# Altium PCB TMS320F28379D_Interfaz_.PcbDoc (part 1 of 5) (continued)
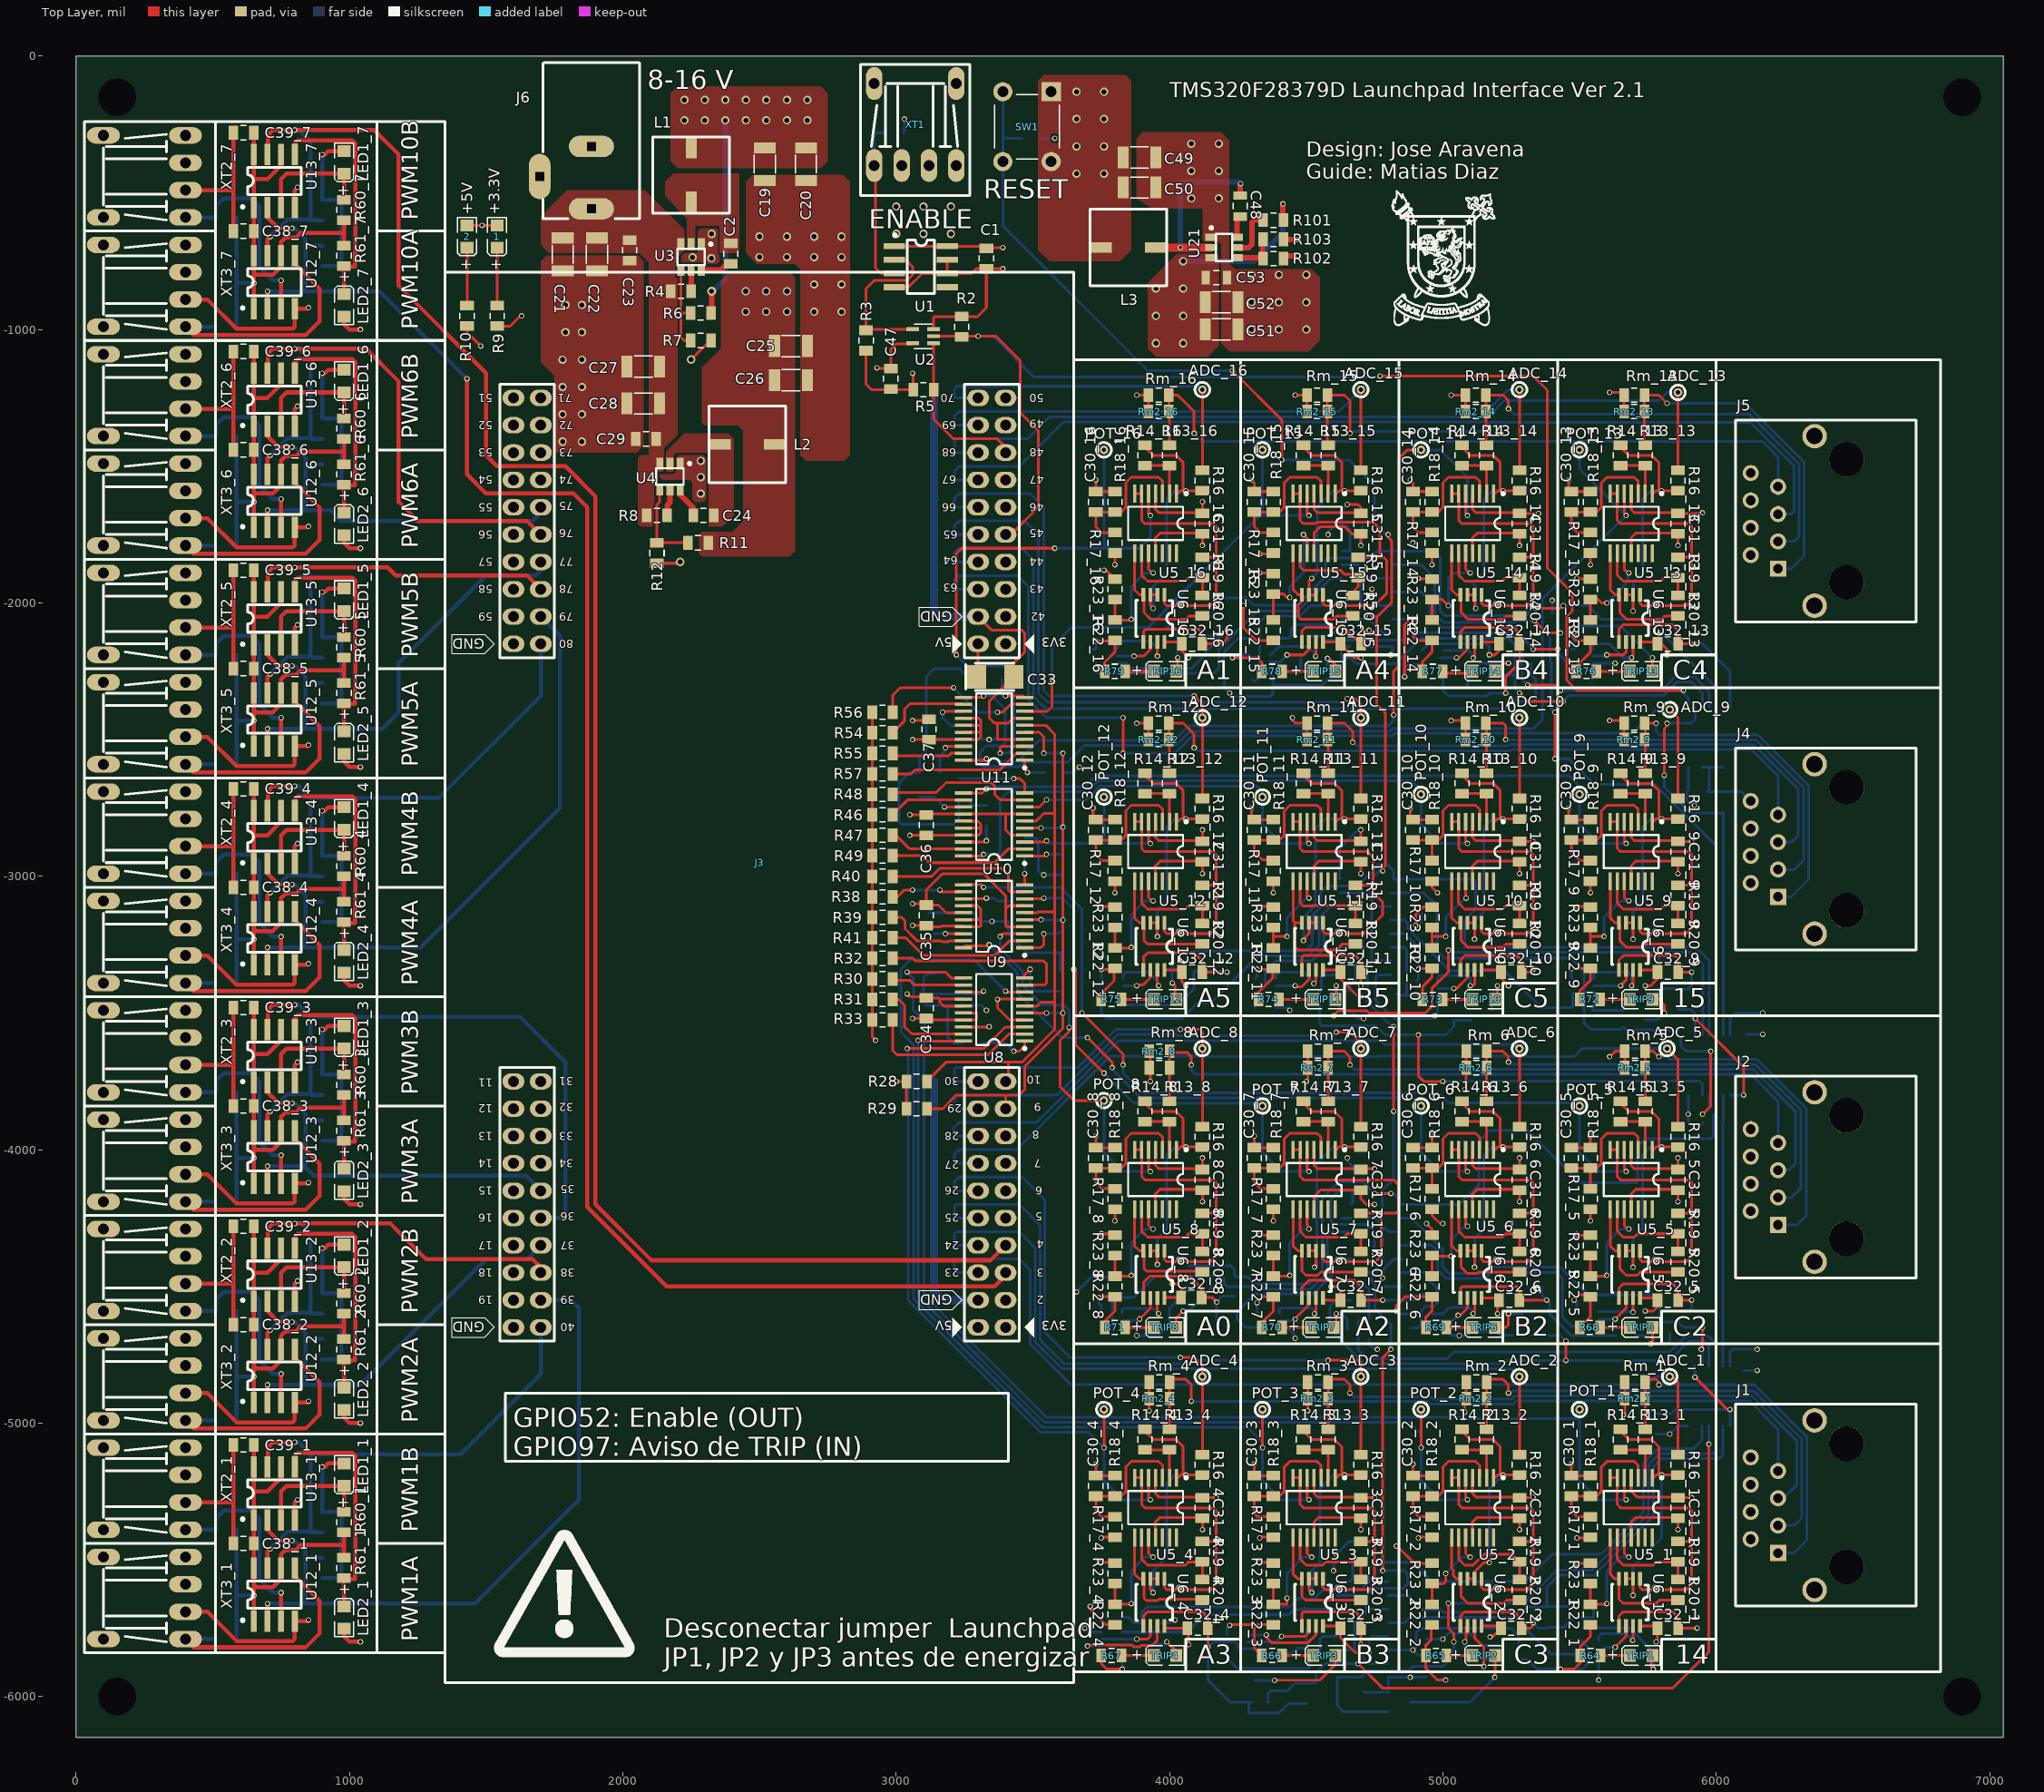
[diagram p0: Top Layer view]
## Classes and differential pairs
component class TMS320F28379D_ADC1: ._1 ADC_1 ADC_OUT_1 C30_1 C31_1 C32_1 POT_1 POT_VALUE_1 R13_1 R14_1 R16_1 R17_1 R18_1 R19_1 R20_1 R21_1 R22_1 R23_1 Rm2_1 Rm_1 U5_1 U6_1 U7_1
component class TMS320F28379D_ADC2: ._2 ADC_2 ADC_OUT_2 C30_2 C31_2 C32_2 POT_2 POT_VALUE_2 R13_2 R14_2 R16_2 R17_2 R18_2 R19_2 R20_2 R21_2 R22_2 R23_2 Rm2_2 Rm_2 U5_2 U6_2 U7_2
component class TMS320F28379D_ADC3: ._3 ADC_3 ADC_OUT_3 C30_3 C31_3 C32_3 POT_3 POT_VALUE_3 R13_3 R14_3 R16_3 R17_3 R18_3 R19_3 R20_3 R21_3 R22_3 R23_3 Rm2_3 Rm_3 U5_3 U6_3 U7_3
component class TMS320F28379D_ADC4: ._4 ADC_4 ADC_OUT_4 C30_4 C31_4 C32_4 POT_4 POT_VALUE_4 R13_4 R14_4 R16_4 R17_4 R18_4 R19_4 R20_4 R21_4 R22_4 R23_4 Rm2_4 Rm_4 U5_4 U6_4 U7_4
component class TMS320F28379D_ADC5: ._5 ADC_5 ADC_OUT_5 C30_5 C31_5 C32_5 POT_5 POT_VALUE_5 R13_5 R14_5 R16_5 R17_5 R18_5 R19_5 R20_5 R21_5 R22_5 R23_5 Rm2_5 Rm_5 U5_5 U6_5 U7_5
component class TMS320F28379D_ADC6: ._6 ADC_6 ADC_OUT_6 C30_6 C31_6 C32_6 POT_6 POT_VALUE_6 R13_6 R14_6 R16_6 R17_6 R18_6 R19_6 R20_6 R21_6 R22_6 R23_6 Rm2_6 Rm_6 U5_6 U6_6 U7_6
component class TMS320F28379D_ADC7: ._7 ADC_7 ADC_OUT_7 C30_7 C31_7 C32_7 POT_7 POT_VALUE_7 R13_7 R14_7 R16_7 R17_7 R18_7 R19_7 R20_7 R21_7 R22_7 R23_7 Rm2_7 Rm_7 U5_7 U6_7 U7_7
component class TMS320F28379D_ADC8: ._8 ADC_8 ADC_OUT_8 C30_8 C31_8 C32_8 POT_8 POT_VALUE_8 R13_8 R14_8 R16_8 R17_8 R18_8 R19_8 R20_8 R21_8 R22_8 R23_8 Rm2_8 Rm_8 U5_8 U6_8 U7_8
component class TMS320F28379D_ADC9: ._9 ADC_9 ADC_OUT_9 C30_9 C31_9 C32_9 POT_9 POT_VALUE_9 R13_9 R14_9 R16_9 R17_9 R18_9 R19_9 R20_9 R21_9 R22_9 R23_9 Rm2_9 Rm_9 U5_9 U6_9 U7_9
component class TMS320F28379D_ADC10: ._10 ADC_10 ADC_OUT_10 C30_10 C31_10 C32_10 POT_10 POT_VALUE_10 R13_10 R14_10 R16_10 R17_10 R18_10 R19_10 R20_10 R21_10 R22_10 R23_10 Rm2_10 Rm_10 U5_10 U6_10 U7_10
component class TMS320F28379D_ADC11: ._11 ADC_11 ADC_OUT_11 C30_11 C31_11 C32_11 POT_11 POT_VALUE_11 R13_11 R14_11 R16_11 R17_11 R18_11 R19_11 R20_11 R21_11 R22_11 R23_11 Rm2_11 Rm_11 U5_11 U6_11 U7_11
component class TMS320F28379D_ADC12: ._12 ADC_12 ADC_OUT_12 C30_12 C31_12 C32_12 POT_12 POT_VALUE_12 R13_12 R14_12 R16_12 R17_12 R18_12 R19_12 R20_12 R21_12 R22_12 R23_12 Rm2_12 Rm_12 U5_12 U6_12 U7_12
component class TMS320F28379D_ADC13: ._13 ADC_13 ADC_OUT_13 C30_13 C31_13 C32_13 POT_13 POT_VALUE_13 R13_13 R14_13 R16_13 R17_13 R18_13 R19_13 R20_13 R21_13 R22_13 R23_13 Rm2_13 Rm_13 U5_13 U6_13 U7_13
component class TMS320F28379D_ADC14: ._14 ADC_14 ADC_OUT_14 C30_14 C31_14 C32_14 POT_14 POT_VALUE_14 R13_14 R14_14 R16_14 R17_14 R18_14 R19_14 R20_14 R21_14 R22_14 R23_14 Rm2_14 Rm_14 U5_14 U6_14 U7_14
component class TMS320F28379D_ADC15: ._15 ADC_15 ADC_OUT_15 C30_15 C31_15 C32_15 POT_15 R13_15 R14_15 R16_15 R17_15 R18_15 R19_15 R20_15 R21_15 R22_15 R23_15 Rm2_15 Rm_15 U5_15 U6_15 U7_15
component class TMS320F28379D_ADC16: ._16 ADC_16 ADC_OUT_16 C30_16 C31_16 C32_16 POT_16 R13_16 R14_16 R16_16 R17_16 R18_16 R19_16 R20_16 R21_16 R22_16 R23_16 Rm2_16 Rm_16 U5_16 U6_16 U7_16
component class TMS320F28379D_I2C: C33 C34 C35 C36 C37 R24 R25 R26 R27 R28 R29 R30 R31 R32 R33 R34 R35 R36 R37 R38 R39 R40 R41 R42 R43 R44 R45 R46 R47 R48 R49 R50 R51 R52 R53 R54 R55 R56 R57 U8 U9 U10 U11
component class TMS320F28379D_Interfaz: 1 2 B1 C1 C2 C3 C4 C5 C6 C7 C8 C9 C10 C11 C12 C13 C14 C15 C16 C17 C18 C19 C20 C21 C22 C23 C24 C25 C26 C27 C28 C29 C47 C48 C49 C50 C51 C52 C53 J1 J2 J3 J4 J5 J6 L1 L2 L3 R1 R2 R3 R4 R5 R6 R7 R8 R9 R10 R11 R12 R101 R102 R103 U1 U2 U3 U4 U21 XT1
component class TMS320F28379D_PWM1: C38_1 C39_1 LED1_1 LED2_1 R58_1 R59_1 R60_1 R61_1 R62_1 R63_1 U12_1 U13_1 XT2_1 XT3_1
component class TMS320F28379D_PWM2: C38_2 C39_2 LED1_2 LED2_2 R58_2 R59_2 R60_2 R61_2 R62_2 R63_2 U12_2 U13_2 XT2_2 XT3_2
component class TMS320F28379D_PWM3: C38_3 C39_3 LED1_3 LED2_3 R58_3 R59_3 R60_3 R61_3 R62_3 R63_3 U12_3 U13_3 XT2_3 XT3_3
component class TMS320F28379D_PWM4: C38_4 C39_4 LED1_4 LED2_4 R58_4 R59_4 R60_4 R61_4 R62_4 R63_4 U12_4 U13_4 XT2_4 XT3_4
component class TMS320F28379D_PWM5: C38_5 C39_5 LED1_5 LED2_5 R58_5 R59_5 R60_5 R61_5 R62_5 R63_5 U12_5 U13_5 XT2_5 XT3_5
component class TMS320F28379D_PWM6: C38_6 C39_6 LED1_6 LED2_6 R58_6 R59_6 R60_6 R61_6 R62_6 R63_6 U12_6 U13_6 XT2_6 XT3_6
component class TMS320F28379D_PWM7: C38_7 C39_7 LED1_7 LED2_7 R58_7 R59_7 R60_7 R61_7 R62_7 R63_7 U12_7 U13_7 XT2_7 XT3_7
component class TMS320F28379D_TRIP: C40 C41 C42 C43 C44 C45 C46 Q1 Q2 Q3 Q4 Q5 Q6 Q7 Q8 Q9 Q10 Q11 Q12 Q13 Q14 Q15 Q16 R64 R65 R66 R67 R68 R69 R70 R71 R72 R73 R74 R75 R76 R77 R78 R79 R80 R81 R82 R83 R84 R85 R86 R87 R88 R89 R90 R91 R92 R93 R94 R95 R96 R97 R98 R99 R100 SW1 TRIP1 TRIP2 TRIP3 TRIP4 TRIP5 TRIP6 TRIP7 TRIP8 TRIP9 TRIP10 TRIP11 TRIP12 TRIP13 TRIP14 TRIP15 TRIP16 U14 U15 U16 U17 U18 U19 U20
channel class TMS320F28379D_ADC: TMS320F28379D_ADC1 TMS320F28379D_ADC2 TMS320F28379D_ADC3 TMS320F28379D_ADC4 TMS320F28379D_ADC5 TMS320F28379D_ADC6 TMS320F28379D_ADC7 TMS320F28379D_ADC8 TMS320F28379D_ADC9 TMS320F28379D_ADC10 TMS320F28379D_ADC11 TMS320F28379D_ADC12 TMS320F28379D_ADC13 TMS320F28379D_ADC14 TMS320F28379D_ADC15 TMS320F28379D_ADC16
channel class TMS320F28379D_PWM: TMS320F28379D_PWM1 TMS320F28379D_PWM2 TMS320F28379D_PWM3 TMS320F28379D_PWM4 TMS320F28379D_PWM5 TMS320F28379D_PWM6 TMS320F28379D_PWM7

## Components (designator, comment, footprint, x,y, rotation, side; value= is the part's Value field where it differs from the comment)
1 "LED" LED_0805 1540,-660 r270 top
2 "LED" LED_0805 1430,-660 r270 top
ADC_1 "Test Point" "TEST POINT" 5830,-4830 r270 top (schematic designator ADC)
ADC_2 "Test Point" "TEST POINT" 5280,-4830 r270 top (schematic designator ADC)
ADC_3 "Test Point" "TEST POINT" 4700,-4830 r270 top (schematic designator ADC)
ADC_4 "Test Point" "TEST POINT" 4120,-4830 r270 top (schematic designator ADC)
ADC_5 "Test Point" "TEST POINT" 5820,-3630 r270 top (schematic designator ADC)
ADC_6 "Test Point" "TEST POINT" 5280,-3630 r270 top (schematic designator ADC)
ADC_7 "Test Point" "TEST POINT" 4700,-3630 r270 top (schematic designator ADC)
ADC_8 "Test Point" "TEST POINT" 4120,-3630 r270 top (schematic designator ADC)
ADC_9 "Test Point" "TEST POINT" 5830,-2390 r270 top (schematic designator ADC)
ADC_10 "Test Point" "TEST POINT" 5280,-2420 r270 top (schematic designator ADC)
ADC_11 "Test Point" "TEST POINT" 4700,-2420 r270 top (schematic designator ADC)
ADC_12 "Test Point" "TEST POINT" 4120,-2420 r270 top (schematic designator ADC)
ADC_13 "Test Point" "TEST POINT" 5860,-1230 r270 top (schematic designator ADC)
ADC_14 "Test Point" "TEST POINT" 5280,-1220 r270 top (schematic designator ADC)
ADC_15 "Test Point" "TEST POINT" 4700,-1220 r270 top (schematic designator ADC)
ADC_16 "Test Point" "TEST POINT" 4120,-1220 r270 top (schematic designator ADC)
B1 "Bead" 1206 2908.11,-570 r270 bottom
C1 "Cap cerámico" "CAP 0805"#1 3330,-740 r90 top value=100nF
C2 "Cap cerámico" "CAP 0805"#1 2395,-722.6 r270 top value=100nF
C3 "Cap cerámico" "CAP 0805"#1 3175,-1350 r180 bottom value=100nF
C4 "Cap cerámico" "CAP 0805"#1 3175,-1450 r180 bottom value=100nF
C5 "Cap cerámico" "CAP 0805"#1 3175,-1550 r180 bottom value=100nF
C6 "Cap cerámico" "CAP 0805"#1 3175,-1650 r180 bottom value=100nF
C7 "Cap cerámico" "CAP 0805"#1 3175,-1750 r180 bottom value=100nF
C8 "Cap cerámico" "CAP 0805"#1 3175,-1850 r180 bottom value=100nF
C9 "Cap cerámico" "CAP 0805"#1 3175,-1950 r180 bottom value=100nF
C10 "Cap cerámico" "CAP 0805"#1 3175,-3750 r180 bottom value=100nF
C11 "Cap cerámico" "CAP 0805"#1 3175,-3850 r180 bottom value=100nF
C12 "Cap cerámico" "CAP 0805"#1 3175,-3950 r180 bottom value=100nF
C13 "Cap cerámico" "CAP 0805"#1 3175,-4050 r180 bottom value=100nF
C14 "Cap cerámico" "CAP 0805"#1 3175,-4150 r180 bottom value=100nF
C15 "Cap cerámico" "CAP 0805"#1 3175,-4250 r180 bottom value=100nF
C16 "Cap cerámico" "CAP 0805"#1 3175,-4350 r180 bottom value=100nF
C17 "Cap cerámico" "CAP 0805"#1 3175,-4450 r180 bottom value=100nF
C18 "Cap cerámico" "CAP 0805"#1 3175,-1250 r0 bottom value=100nF
C19 "Cap cerámico" "CAP 1206" 2525,-385 r90 top value=22uF
C20 "Cap cerámico" "CAP 1206" 2675,-385 r90 top value=22uF
C21 "Cap cerámico" "CAP 1206" 1775,-735 r270 top value=10uF
C22 "Cap cerámico" "CAP 1206" 1900,-735 r270 top value=10uF
C23 "Cap cerámico" "CAP 0805"#1 2025,-710 r270 top value=100nF
C24 "Cap cerámico" "CAP 0805"#1 2295,-1680 r180 top value=100nF
C25 "Cap cerámico" "CAP 1206" 2605,-1055 r180 top value=22uF
C26 "Cap cerámico" "CAP 1206" 2605,-1180 r180 top value=22uF
C27 "Cap cerámico" "CAP 1206" 2065,-1130 r180 top value=10uF
C28 "Cap cerámico" "CAP 1206" 2065,-1265 r180 top value=10uF
C29 "Cap cerámico" "CAP 0805"#1 2085,-1400 r180 top value=100nF
C30_1 "Cap cerámico" "CAP 0805"#1 5470,-5230 r270 top value=100nF (schematic designator C30)
C30_2 "Cap cerámico" "CAP 0805"#1 4890,-5230 r270 top value=100nF (schematic designator C30)
C30_3 "Cap cerámico" "CAP 0805"#1 4310,-5230 r270 top value=100nF (schematic designator C30)
C30_4 "Cap cerámico" "CAP 0805"#1 3730,-5230 r270 top value=100nF (schematic designator C30)
C30_5 "Cap cerámico" "CAP 0805"#1 5470,-4030 r270 top value=100nF (schematic designator C30)
C30_6 "Cap cerámico" "CAP 0805"#1 4890,-4030 r270 top value=100nF (schematic designator C30)
C30_7 "Cap cerámico" "CAP 0805"#1 4310,-4030 r270 top value=100nF (schematic designator C30)
C30_8 "Cap cerámico" "CAP 0805"#1 3730,-4030 r270 top value=100nF (schematic designator C30)
C30_9 "Cap cerámico" "CAP 0805"#1 5470,-2830 r270 top value=100nF (schematic designator C30)
C30_10 "Cap cerámico" "CAP 0805"#1 4890,-2830 r270 top value=100nF (schematic designator C30)
C30_11 "Cap cerámico" "CAP 0805"#1 4310,-2830 r270 top value=100nF (schematic designator C30)
C30_12 "Cap cerámico" "CAP 0805"#1 3730,-2830 r270 top value=100nF (schematic designator C30)
C30_13 "Cap cerámico" "CAP 0805"#1 5470,-1630 r270 top value=100nF (schematic designator C30)
C30_14 "Cap cerámico" "CAP 0805"#1 4890,-1630 r270 top value=100nF (schematic designator C30)
C30_15 "Cap cerámico" "CAP 0805"#1 4310,-1630 r270 top value=100nF (schematic designator C30)
C30_16 "Cap cerámico" "CAP 0805"#1 3730,-1630 r270 top value=100nF (schematic designator C30)
C31_1 "Cap cerámico" "CAP 0805"#1 5860,-5310 r90 top value=100nF (schematic designator C31)
C31_2 "Cap cerámico" "CAP 0805"#1 5280,-5310 r90 top value=100nF (schematic designator C31)
C31_3 "Cap cerámico" "CAP 0805"#1 4700,-5310 r90 top value=100nF (schematic designator C31)
C31_4 "Cap cerámico" "CAP 0805"#1 4120,-5310 r90 top value=100nF (schematic designator C31)
C31_5 "Cap cerámico" "CAP 0805"#1 5860,-4110 r90 top value=100nF (schematic designator C31)
C31_6 "Cap cerámico" "CAP 0805"#1 5280,-4110 r90 top value=100nF (schematic designator C31)
C31_7 "Cap cerámico" "CAP 0805"#1 4700,-4110 r90 top value=100nF (schematic designator C31)
C31_8 "Cap cerámico" "CAP 0805"#1 4120,-4110 r90 top value=100nF (schematic designator C31)
C31_9 "Cap cerámico" "CAP 0805"#1 5860,-2910 r90 top value=100nF (schematic designator C31)
C31_10 "Cap cerámico" "CAP 0805"#1 5280,-2910 r90 top value=100nF (schematic designator C31)
C31_11 "Cap cerámico" "CAP 0805"#1 4700,-2910 r90 top value=100nF (schematic designator C31)
C31_12 "Cap cerámico" "CAP 0805"#1 4120,-2910 r90 top value=100nF (schematic designator C31)
C31_13 "Cap cerámico" "CAP 0805"#1 5860,-1710 r90 top value=100nF (schematic designator C31)
C31_14 "Cap cerámico" "CAP 0805"#1 5280,-1710 r90 top value=100nF (schematic designator C31)
C31_15 "Cap cerámico" "CAP 0805"#1 4700,-1710 r90 top value=100nF (schematic designator C31)
C31_16 "Cap cerámico" "CAP 0805"#1 4120,-1710 r90 top value=100nF (schematic designator C31)
C32_1 "Cap cerámico" "CAP 0805"#1 5822.6,-5750 r0 top value=100nF (schematic designator C32)
C32_2 "Cap cerámico" "CAP 0805"#1 5250,-5750 r0 top value=100nF (schematic designator C32)
C32_3 "Cap cerámico" "CAP 0805"#1 4662.6,-5750 r0 top value=100nF (schematic designator C32)
C32_4 "Cap cerámico" "CAP 0805"#1 4102.6,-5750 r0 top value=100nF (schematic designator C32)
C32_5 "Cap cerámico" "CAP 0805"#1 5822.6,-4550 r0 top value=100nF (schematic designator C32)
C32_6 "Cap cerámico" "CAP 0805"#1 5242.6,-4550 r0 top value=100nF (schematic designator C32)
C32_7 "Cap cerámico" "CAP 0805"#1 4662.6,-4550 r0 top value=100nF (schematic designator C32)
C32_8 "Cap cerámico" "CAP 0805"#1 4080,-4540 r0 top value=100nF (schematic designator C32)
C32_9 "Cap cerámico" "CAP 0805"#1 5822.6,-3350 r0 top value=100nF (schematic designator C32)
C32_10 "Cap cerámico" "CAP 0805"#1 5250,-3350 r0 top value=100nF (schematic designator C32)
C32_11 "Cap cerámico" "CAP 0805"#1 4662.6,-3350 r0 top value=100nF (schematic designator C32)
C32_12 "Cap cerámico" "CAP 0805"#1 4082.6,-3350 r0 top value=100nF (schematic designator C32)
C32_13 "Cap cerámico" "CAP 0805"#1 5822.6,-2150 r0 top value=100nF (schematic designator C32)
C32_14 "Cap cerámico" "CAP 0805"#1 5242.6,-2150 r0 top value=100nF (schematic designator C32)
C32_15 "Cap cerámico" "CAP 0805"#1 4662.6,-2150 r0 top value=100nF (schematic designator C32)
C32_16 "Cap cerámico" "CAP 0805"#1 4082.6,-2150 r0 top value=100nF (schematic designator C32)
C33 "Cap polarizado" "CAP TANTALIO B" 3295,-2270 r0 top value=10uF
C34 "Cap cerámico" "CAP 0805"#1 3110,-3482.6 r90 top value=100nF
C35 "Cap cerámico" "CAP 0805"#1 3110,-3142.6 r90 top value=100nF
C36 "Cap cerámico" "CAP 0805"#1 3110,-2812.6 r90 top value=100nF
C37 "Cap cerámico" "CAP 0805"#1 3120,-2462.6 r90 top value=100nF
C38_1 "Cap cerámico" "CAP 0805"#1 612.6,-5440 r180 top value=100nF (schematic designator C38)
C38_2 "Cap cerámico" "CAP 0805"#1 612.6,-4640 r180 top value=100nF (schematic designator C38)
C38_3 "Cap cerámico" "CAP 0805"#1 612.6,-3840 r180 top value=100nF (schematic designator C38)
C38_4 "Cap cerámico" "CAP 0805"#1 612.6,-3040 r180 top value=100nF (schematic designator C38)
C38_5 "Cap cerámico" "CAP 0805"#1 612.6,-2240 r180 top value=100nF (schematic designator C38)
C38_6 "Cap cerámico" "CAP 0805"#1 612.6,-1440 r180 top value=100nF (schematic designator C38)
C38_7 "Cap cerámico" "CAP 0805"#1 612.6,-640 r180 top value=100nF (schematic designator C38)
C39_1 "Cap cerámico" "CAP 0805"#1 612.6,-5080 r180 top value=100nF (schematic designator C39)
C39_2 "Cap cerámico" "CAP 0805"#1 612.6,-4280 r180 top value=100nF (schematic designator C39)
C39_3 "Cap cerámico" "CAP 0805"#1 612.6,-3480 r180 top value=100nF (schematic designator C39)
C39_4 "Cap cerámico" "CAP 0805"#1 612.6,-2680 r180 top value=100nF (schematic designator C39)
C39_5 "Cap cerámico" "CAP 0805"#1 612.6,-1880 r180 top value=100nF (schematic designator C39)
C39_6 "Cap cerámico" "CAP 0805"#1 612.6,-1080 r180 top value=100nF (schematic designator C39)
C39_7 "Cap cerámico" "CAP 0805"#1 612.6,-280 r180 top value=100nF (schematic designator C39)
C40 "Cap cerámico" "CAP 0805"#1 4670,-5470 r90 bottom value=100nF
C41 "Cap cerámico" "CAP 0805"#1 6100,-4770 r270 bottom value=100nF
C42 "Cap cerámico" "CAP 0805"#1 4670,-4112.6 r90 bottom value=100nF
C43 "Cap cerámico" "CAP 0805"#1 6110,-3540 r270 bottom value=100nF
C44 "Cap cerámico" "CAP 0805"#1 4660,-2930 r0 bottom value=100nF
C45 "Cap cerámico" "CAP 0805"#1 5930,-2690 r0 bottom value=100nF
C46 "Cap cerámico" "CAP 0805"#1 4667.4,-1720 r0 bottom value=100nF
C47 "Cap cerámico" "CAP 0805"#1 2980,-1180 r90 top value=100nF
C48 "Cap cerámico" "CAP 0805"#2 4253,-547 r270 top value=100nF
C49 "Cap cerámico" "CAP 1206" 3880,-365 r180 top value=22uF
C50 "Cap cerámico" "CAP 1206" 3880,-475 r180 top value=22uF
C51 "Cap cerámico" "CAP 1206" 4200,-1005 r0 top value=10uF
C52 "Cap cerámico" "CAP 1206" 4200,-905 r0 top value=10uF
C53 "Cap cerámico" "CAP 0805"#2 4170,-815 r0 top value=100nF
J1 "Ethernet TH" "ETHERNET TH" 6476.14,-5300 r90 top
J2 "Ethernet TH" "ETHERNET TH" 6476.14,-4099.99 r90 top
J3 "Header 20pin" "HEADER 20PIN_TMS320F28379D" 1600,-4650 r90 top locked
J4 "Ethernet TH" "ETHERNET TH" 6476.14,-2899.97 r90 top
J5 "Ethernet TH" "ETHERNET TH" 6476.14,-1699.96 r90 top
J6 "694106301002" "Power Jack DC" 1885,-558.35 r270 top
L1 "Inductor 3.3uH" "Inductor 3.3uH" 2250,-535 r90 top value=3.3uH
L2 "Inductor 2.2uH" "Inductor 3.3uH" 2355,-1420 r0 top value=2.2uH
L3 "Inductor 3.3uH" "Inductor 3.3uH" 3950,-700 r180 top value=3.3uH
LED1_1 "LED" LED_0805 980,-5188.66 r270 top (schematic designator LED1)
LED1_2 "LED" LED_0805 980,-4388.66 r270 top (schematic designator LED1)
LED1_3 "LED" LED_0805 980,-3588.66 r270 top (schematic designator LED1)
LED1_4 "LED" LED_0805 980,-2788.66 r270 top (schematic designator LED1)
LED1_5 "LED" LED_0805 980,-1988.66 r270 top (schematic designator LED1)
LED1_6 "LED" LED_0805 980,-1188.66 r270 top (schematic designator LED1)
LED1_7 "LED" LED_0805 980,-388.66 r270 top (schematic designator LED1)
LED2_1 "LED" LED_0805 980,-5711.34 r90 top (schematic designator LED2)
LED2_2 "LED" LED_0805 980,-4911.34 r90 top (schematic designator LED2)
LED2_3 "LED" LED_0805 980,-4111.34 r90 top (schematic designator LED2)
LED2_4 "LED" LED_0805 980,-3311.34 r90 top (schematic designator LED2)
LED2_5 "LED" LED_0805 980,-2511.34 r90 top (schematic designator LED2)
LED2_6 "LED" LED_0805 980,-1711.34 r90 top (schematic designator LED2)
LED2_7 "LED" LED_0805 980,-911.34 r90 top (schematic designator LED2)
POT_1 "Test Point" "TEST POINT" 5500,-4950 r270 top (schematic designator POT)
POT_2 "Test Point" "TEST POINT" 4920,-4950 r270 top (schematic designator POT)
POT_3 "Test Point" "TEST POINT" 4340,-4950 r270 top (schematic designator POT)
POT_4 "Test Point" "TEST POINT" 3760,-4950 r270 top (schematic designator POT)
POT_5 "Test Point" "TEST POINT" 5500,-3840 r270 top (schematic designator POT)
POT_6 "Test Point" "TEST POINT" 4920,-3840 r270 top (schematic designator POT)
POT_7 "Test Point" "TEST POINT" 4340,-3840 r270 top (schematic designator POT)
POT_8 "Test Point" "TEST POINT" 3760,-3820 r270 top (schematic designator POT)
POT_9 "Test Point" "TEST POINT" 5500,-2700 r270 top (schematic designator POT)
POT_10 "Test Point" "TEST POINT" 4920,-2700 r270 top (schematic designator POT)
POT_11 "Test Point" "TEST POINT" 4340,-2710 r270 top (schematic designator POT)
POT_12 "Test Point" "TEST POINT" 3760,-2710 r270 top (schematic designator POT)
POT_13 "Test Point" "TEST POINT" 5500,-1440 r270 top (schematic designator POT)
POT_14 "Test Point" "TEST POINT" 4920,-1440 r270 top (schematic designator POT)
POT_15 "Test Point" "TEST POINT" 4340,-1440 r270 top (schematic designator POT)
POT_16 "Test Point" "TEST POINT" 3760,-1440 r270 top (schematic designator POT)
Q1 "MOSFET N" SOT23 5516.15,-5748.74 r0 bottom
Q2 "MOSFET N" SOT23 3935,-5809 r0 bottom
Q3 "MOSFET N" SOT23 5830,-4670 r0 bottom
Q4 "MOSFET N" SOT23 4160,-4500 r270 bottom
Q5 "MOSFET N" SOT23 5739,-3525 r90 bottom
Q6 "MOSFET N" SOT23 4010,-3310 r270 bottom
Q7 "MOSFET N" SOT23 5478.74,-2073.85 r90 bottom
Q8 "MOSFET N" SOT23 3991.26,-2086.15 r270 bottom
Q9 "MOSFET N" SOT23 4880,-6020 r90 bottom
Q10 "MOSFET N" SOT23 4323.85,-5941.26 r180 bottom
Q11 "MOSFET N" SOT23 5290,-4600 r180 bottom
Q12 "MOSFET N" SOT23 4651.26,-4656.15 r270 bottom
Q13 "MOSFET N" SOT23 5180,-3490 r90 bottom
Q14 "MOSFET N" SOT23 4581,-3455 r270 bottom
Q15 "MOSFET N" SOT23 5091.26,-2300 r270 bottom
Q16 "MOSFET N" SOT23 4480,-2200 r0 bottom
R1 "Resistor 0805" "Resistor 0805" 2990,-280 r0 bottom value=220
R2 "Resistor 0805" "Resistor 0805" 3240,-990 r270 top value=10K
R3 "Resistor 0805" "Resistor 0805" 2890,-1040 r90 top value=150
R4 "Resistor 0805" "Resistor 0805" 2212.6,-860 r180 top value=10k
R5 "Resistor 0805" "Resistor 0805" 3100,-1220 r0 top value=10k
R6 "Resistor 0805" "Resistor 0805" 2285,-940 r0 top value="56k / 68k"
R7 "Resistor 0805" "Resistor 0805" 2285,-1040 r180 top value="10k / 12k"
R8 "Resistor 0805" "Resistor 0805" 2125,-1680 r180 top value=10k
R9 "Resistor 0805" "Resistor 0805" 1540,-950 r270 top value=10
R10 "Resistor 0805" "Resistor 0805" 1430,-950 r270 top value=680
R11 "Resistor 0805" "Resistor 0805" 2275,-1780 r0 top value=33.2k
R12 "Resistor 0805" "Resistor 0805" 2125,-1817.4 r90 top value=10k
R13_1 "Resistor 0805" "Resistor 0805" 5740,-5060 r270 top value=10k (schematic designator R13)
R13_2 "Resistor 0805" "Resistor 0805" 5160,-5060 r270 top value=10k (schematic designator R13)
R13_3 "Resistor 0805" "Resistor 0805" 4580,-5060 r270 top value=10k (schematic designator R13)
R13_4 "Resistor 0805" "Resistor 0805" 4000,-5060 r270 top value=10k (schematic designator R13)
R13_5 "Resistor 0805" "Resistor 0805" 5740,-3860 r270 top value=10k (schematic designator R13)
R13_6 "Resistor 0805" "Resistor 0805" 5160,-3860 r270 top value=10k (schematic designator R13)
R13_7 "Resistor 0805" "Resistor 0805" 4580,-3860 r270 top value=10k (schematic designator R13)
R13_8 "Resistor 0805" "Resistor 0805" 4000,-3860 r270 top value=10k (schematic designator R13)
R13_9 "Resistor 0805" "Resistor 0805" 5740,-2660 r270 top value=10k (schematic designator R13)
R13_10 "Resistor 0805" "Resistor 0805" 5160,-2660 r270 top value=10k (schematic designator R13)
R13_11 "Resistor 0805" "Resistor 0805" 4580,-2660 r270 top value=10k (schematic designator R13)
R13_12 "Resistor 0805" "Resistor 0805" 4000,-2660 r270 top value=10k (schematic designator R13)
R13_13 "Resistor 0805" "Resistor 0805" 5740,-1460 r270 top value=10k (schematic designator R13)
R13_14 "Resistor 0805" "Resistor 0805" 5160,-1460 r270 top value=10k (schematic designator R13)
R13_15 "Resistor 0805" "Resistor 0805" 4580,-1460 r270 top value=10k (schematic designator R13)
R13_16 "Resistor 0805" "Resistor 0805" 4000,-1460 r270 top value=10k (schematic designator R13)